# KiCad board 8851_HW-U1-VCU118_REV2-0_071417.kicad_pcb (continued)
## Nets (continued)
DDR4_C1_DQS5_T: U1.N22 U62.B7
DDR4_C1_DQS6_C: U1.L20 U63.F3
DDR4_C1_DQS6_T: U1.M20 U63.G3
DDR4_C1_DQS7_C: U1.G23 U63.A7
DDR4_C1_DQS7_T: U1.H24 U63.B7
DDR4_C1_DQS8_C: U1.C22 U64.F3
DDR4_C1_DQS8_T: U1.D22 U64.G3
DDR4_C1_DQS9_C: U1.A8 U64.A7
DDR4_C1_DQS9_T: U1.A9 U64.B7
DDR4_C1_ODT: R569.2 U1.C8 U60.K3 U61.K3 U62.K3 U63.K3 U64.K3
DDR4_C1_PAR: R568.2 U1.G10 U60.T3 U61.T3 U62.T3 U63.T3 U64.T3
DDR4_C1_REFIN: C451.1 R299.2 R300.1 U24.1
DDR4_C1_RESET_B: R76.1 U1.N20 U60.P1 U61.P1 U62.P1 U63.P1 U64.P1
DDR4_C1_TEN: R259.1 U1.A20 U60.N9 U61.N9 U62.N9 U63.N9 U64.N9
DDR4_C1_VREFA: C559.1 R558.2 R559.1 U60.M1
DDR4_C1_VREFB: C696.1 R706.2 R707.1 U61.M1
DDR4_C1_VREFC: C699.1 R708.2 R709.1 U62.M1
DDR4_C1_VREFD: C954.1 R894.2 R895.1 U63.M1
DDR4_C1_VREFE: C557.1 R556.2 R557.1 U64.M1
DDR4_C1_VTERM_0V60_PGOOD: Q17.1 R389.2 U24.9
DDR4_C1_VTERM_EN: R388.2 U24.7
DDR4_C1_VTERM_REFOUT: C138.1 U24.6
DDR4_C1_VTT: C104.1 C105.1 C106.1 C107.1 C108.1 C350.1 C351.1 C352.1 C516.1 C517.1 C518.1 J65.1 R237.1 R238.1 R239.1 R240.1 R241.1 R242.1 R243.1 R244.1 R245.1 R246.1 R247.1 R249.1 R250.1 R251.1 R252.1 R253.1 R254.1 R255.1 R256.1 R257.1 R258.1 R564.1 R567.1 R568.1 R569.1 R1105.1 U24.3 Z43.1
DDR4_C1_ZQA: R386.1 U60.F9
DDR4_C1_ZQB: R704.1 U61.F9
DDR4_C1_ZQC: R705.1 U62.F9
DDR4_C1_ZQD: R893.1 U63.F9
DDR4_C1_ZQE: R385.1 U64.F9
DDR4_C2_A0: R903.2 U1.AM27 U135.P3 U136.P3 U137.P3 U138.P3 U139.P3
DDR4_C2_A1: R904.2 U1.AL27 U135.P7 U136.P7 U137.P7 U138.P7 U139.P7
DDR4_C2_A2: R919.2 U1.AP26 U135.R3 U136.R3 U137.R3 U138.R3 U139.R3
DDR4_C2_A3: R918.2 U1.AP25 U135.N7 U136.N7 U137.N7 U138.N7 U139.N7
DDR4_C2_A4: R916.2 U1.AN28 U135.N3 U136.N3 U137.N3 U138.N3 U139.N3
DDR4_C2_A5: R917.2 U1.AM28 U135.P8 U136.P8 U137.P8 U138.P8 U139.P8
DDR4_C2_A6: R906.2 U1.AP28 U135.P2 U136.P2 U137.P2 U138.P2 U139.P2
DDR4_C2_A7: R905.2 U1.AP27 U135.R8 U136.R8 U137.R8 U138.R8 U139.R8
DDR4_C2_A8: R910.2 U1.AN26 U135.R2 U136.R2 U137.R2 U138.R2 U139.R2
DDR4_C2_A9: R909.2 U1.AM26 U135.R7 U136.R7 U137.R7 U138.R7 U139.R7
DDR4_C2_A10: R908.2 U1.AR28 U135.M3 U136.M3 U137.M3 U138.M3 U139.M3
DDR4_C2_A11: R907.2 U1.AR27 U135.T2 U136.T2 U137.T2 U138.T2 U139.T2
DDR4_C2_A12: R912.2 U1.AV25 U135.M7 U136.M7 U137.M7 U138.M7 U139.M7
DDR4_C2_A13: R920.2 U1.AT25 U135.T8 U136.T8 U137.T8 U138.T8 U139.T8
DDR4_C2_A14_WE_B: R913.2 U1.AV28 U135.L2 U136.L2 U137.L2 U138.L2 U139.L2
DDR4_C2_A15_CAS_B: R914.2 U1.AU26 U135.M8 U136.M8 U137.M8 U138.M8 U139.M8
DDR4_C2_A16_RAS_B: R923.2 U1.AV26 U135.L8 U136.L8 U137.L8 U138.L8 U139.L8
DDR4_C2_ACT_B: R924.2 U1.AN25 U135.L3 U136.L3 U137.L3 U138.L3 U139.L3
DDR4_C2_ALERT_B: R922.2 U1.AR29 U135.P9 U136.P9 U137.P9 U138.P9 U139.P9
DDR4_C2_BA0: R902.2 U1.AR25 U135.N2 U136.N2 U137.N2 U138.N2 U139.N2
DDR4_C2_BA1: R921.2 U1.AU28 U135.N8 U136.N8 U137.N8 U138.N8 U139.N8
DDR4_C2_BG0: R911.2 U1.AU27 U135.M2 U136.M2 U137.M2 U138.M2 U139.M2
DDR4_C2_CK_C: R898.1 U1.AT27 U135.K8 U136.K8 U137.K8 U138.K8 U139.K8
DDR4_C2_CK_T: R897.1 U1.AT26 U135.K7 U136.K7 U137.K7 U138.K7 U139.K7
DDR4_C2_CKE: R915.2 U1.AW28 U135.K2 U136.K2 U137.K2 U138.K2 U139.K2
DDR4_C2_CS_B: R1106.2 U1.AY29 U135.L7 U136.L7 U137.L7 U138.L7 U139.L7
DDR4_C2_DM0: U1.BE32 U135.E7
DDR4_C2_DM1: U1.BB31 U135.E2
DDR4_C2_DM2: U1.AV33 U136.E7
DDR4_C2_DM3: U1.AR32 U136.E2
DDR4_C2_DM4: U1.BC34 U137.E7
DDR4_C2_DM5: U1.BE40 U137.E2
DDR4_C2_DM6: U1.AY37 U138.E7
DDR4_C2_DM7: U1.AV35 U138.E2
DDR4_C2_DM8: U1.BE29 U139.E7
DDR4_C2_DM9: U1.BA29 U139.E2
DDR4_C2_DQ0: U1.BD30 U135.G2
DDR4_C2_DQ1: U1.BE30 U135.F7
DDR4_C2_DQ2: U1.BD32 U135.H3
DDR4_C2_DQ3: U1.BE33 U135.H7
DDR4_C2_DQ4: U1.BC33 U135.H2
DDR4_C2_DQ5: U1.BD33 U135.H8
DDR4_C2_DQ6: U1.BC31 U135.J3
DDR4_C2_DQ7: U1.BD31 U135.J7
DDR4_C2_DQ8: U1.BA32 U135.A3
DDR4_C2_DQ9: U1.BB33 U135.B8
DDR4_C2_DQ10: U1.BA30 U135.C3
DDR4_C2_DQ11: U1.BA31 U135.C7
DDR4_C2_DQ12: U1.AW31 U135.C2
DDR4_C2_DQ13: U1.AW32 U135.C8
DDR4_C2_DQ14: U1.AY32 U135.D3
DDR4_C2_DQ15: U1.AY33 U135.D7
DDR4_C2_DQ16: U1.AV30 U136.G2
DDR4_C2_DQ17: U1.AW30 U136.F7
DDR4_C2_DQ18: U1.AU33 U136.H3
DDR4_C2_DQ19: U1.AU34 U136.H7
DDR4_C2_DQ20: U1.AT31 U136.H2
DDR4_C2_DQ21: U1.AU32 U136.H8
DDR4_C2_DQ22: U1.AU31 U136.J3
DDR4_C2_DQ23: U1.AV31 U136.J7
DDR4_C2_DQ24: U1.AR33 U136.A3
DDR4_C2_DQ25: U1.AT34 U136.B8
DDR4_C2_DQ26: U1.AT29 U136.C3
DDR4_C2_DQ27: U1.AT30 U136.C7
DDR4_C2_DQ28: U1.AP30 U136.C2
DDR4_C2_DQ29: U1.AR30 U136.C8
DDR4_C2_DQ30: U1.AN30 U136.D3
DDR4_C2_DQ31: U1.AN31 U136.D7
DDR4_C2_DQ32: U1.BE34 U137.G2
DDR4_C2_DQ33: U1.BF34 U137.F7
DDR4_C2_DQ34: U1.BC35 U137.H3
DDR4_C2_DQ35: U1.BC36 U137.H7
DDR4_C2_DQ36: U1.BD36 U137.H2
DDR4_C2_DQ37: U1.BE37 U137.H8
DDR4_C2_DQ38: U1.BF36 U137.J3
DDR4_C2_DQ39: U1.BF37 U137.J7
DDR4_C2_DQ40: U1.BD37 U137.A3
DDR4_C2_DQ41: U1.BE38 U137.B8
DDR4_C2_DQ42: U1.BC39 U137.C3
DDR4_C2_DQ43: U1.BD40 U137.C7
DDR4_C2_DQ44: U1.BB38 U137.C2
DDR4_C2_DQ45: U1.BB39 U137.C8
DDR4_C2_DQ46: U1.BC38 U137.D3
DDR4_C2_DQ47: U1.BD38 U137.D7
DDR4_C2_DQ48: U1.BB36 U138.G2
DDR4_C2_DQ49: U1.BB37 U138.F7
DDR4_C2_DQ50: U1.BA39 U138.H3
DDR4_C2_DQ51: U1.BA40 U138.H7
DDR4_C2_DQ52: U1.AW40 U138.H2
DDR4_C2_DQ53: U1.AY40 U138.H8
DDR4_C2_DQ54: U1.AY38 U138.J3
DDR4_C2_DQ55: U1.AY39 U138.J7
DDR4_C2_DQ56: U1.AW35 U138.A3
DDR4_C2_DQ57: U1.AW36 U138.B8
DDR4_C2_DQ58: U1.AU40 U138.C3
DDR4_C2_DQ59: U1.AV40 U138.C7
DDR4_C2_DQ60: U1.AU38 U138.C2
DDR4_C2_DQ61: U1.AU39 U138.C8
DDR4_C2_DQ62: U1.AV38 U138.D3
DDR4_C2_DQ63: U1.AV39 U138.D7
DDR4_C2_DQ64: U1.BF26 U139.G2
DDR4_C2_DQ65: U1.BF27 U139.F7
DDR4_C2_DQ66: U1.BD28 U139.H3
DDR4_C2_DQ67: U1.BE28 U139.H7
DDR4_C2_DQ68: U1.BD27 U139.H2
DDR4_C2_DQ69: U1.BE27 U139.H8
DDR4_C2_DQ70: U1.BD25 U139.J3
DDR4_C2_DQ71: U1.BD26 U139.J7
DDR4_C2_DQ72: U1.BC25 U139.A3
DDR4_C2_DQ73: U1.BC26 U139.B8
DDR4_C2_DQ74: U1.BB28 U139.C3
DDR4_C2_DQ75: U1.BC28 U139.C7
DDR4_C2_DQ76: U1.AY27 U139.C2
DDR4_C2_DQ77: U1.AY28 U139.C8
DDR4_C2_DQ78: U1.BA27 U139.D3
DDR4_C2_DQ79: U1.BB27 U139.D7
DDR4_C2_DQS0_C: U1.BF31 U135.F3
DDR4_C2_DQS0_T: U1.BF30 U135.G3
DDR4_C2_DQS1_C: U1.BA34 U135.A7
DDR4_C2_DQS1_T: U1.AY34 U135.B7
DDR4_C2_DQS2_C: U1.AV29 U136.F3
DDR4_C2_DQS2_T: U1.AU29 U136.G3
DDR4_C2_DQS3_C: U1.AP32 U136.A7
DDR4_C2_DQS3_T: U1.AP31 U136.B7
DDR4_C2_DQS4_C: U1.BF35 U137.F3
DDR4_C2_DQS4_T: U1.BE35 U137.G3
DDR4_C2_DQS5_C: U1.BF39 U137.A7
DDR4_C2_DQS5_T: U1.BE39 U137.B7
DDR4_C2_DQS6_C: U1.BA36 U138.F3
DDR4_C2_DQS6_T: U1.BA35 U138.G3
DDR4_C2_DQS7_C: U1.AW38 U138.A7
DDR4_C2_DQS7_T: U1.AW37 U138.B7
DDR4_C2_DQS8_C: U1.BF25 U139.F3
DDR4_C2_DQS8_T: U1.BE25 U139.G3
DDR4_C2_DQS9_C: U1.BB26 U139.A7
DDR4_C2_DQS9_T: U1.BA26 U139.B7
DDR4_C2_ODT: R926.2 U1.BB29 U135.K3 U136.K3 U137.K3 U138.K3 U139.K3
DDR4_C2_PAR: R925.2 U1.BF29 U135.T3 U136.T3 U137.T3 U138.T3 U139.T3
DDR4_C2_REFIN: C1208.1 R900.2 R901.1 U134.1
DDR4_C2_RESET_B: R896.1 U1.BD35 U135.P1 U136.P1 U137.P1 U138.P1 U139.P1
DDR4_C2_TEN: R899.1 U1.AY35 U135.N9 U136.N9 U137.N9 U138.N9 U139.N9
DDR4_C2_VREFA: C1144.1 R935.2 R936.1 U135.M1
DDR4_C2_VREFB: C1147.1 R937.2 R938.1 U136.M1
DDR4_C2_VREFC: C1150.1 R939.2 R940.1 U137.M1
DDR4_C2_VREFD: C1153.1 R941.2 R942.1 U138.M1
DDR4_C2_VREFE: C1162.1 R943.2 R944.1 U139.M1
DDR4_C2_VTERM_0V60_PGOOD: Q37.1 R929.2 U134.9
DDR4_C2_VTERM_EN: R928.2 U134.7
DDR4_C2_VTERM_REFOUT: C1142.1 U134.6
DDR4_C2_VTT: C1155.1 C1156.1 C1157.1 C1158.1 C1159.1 C1179.1 C1180.1 C1181.1 C1183.1 C1184.1 C1185.1 J88.1 R902.1 R903.1 R904.1 R905.1 R906.1 R907.1 R908.1 R909.1 R910.1 R911.1 R912.1 R913.1 R914.1 R915.1 R916.1 R917.1 R918.1 R919.1 R920.1 R921.1 R922.1 R923.1 R924.1 R925.1 R926.1 R1106.1 U134.3 Z86.1
DDR4_C2_ZQA: R930.1 U135.F9
DDR4_C2_ZQB: R931.1 U136.F9
DDR4_C2_ZQC: R932.1 U137.F9
DDR4_C2_ZQD: R933.1 U138.F9
DDR4_C2_ZQE: R7.1 U139.F9
DXN: C240.2 U1.AE17 Z8.1
DXP: C240.1 U1.AE18 U31.8
ENET_LED_0: Q18.1 R54.2 R62.1 R198.2 R200.1 U7.47
ENET_LED_0_LS: DS1.1 Q18.3
ENET_LED_1: Q60.1 R55.2 R63.1 R201.2 R202.1 U7.46
ENET_LED_1_LS: J10.13 Q60.3
ENET_LED_2: Q59.1 R56.2 R64.1 R203.2 R204.1 U7.45
ENET_LED_2_LS: J10.15 Q59.3
ENET_TD_A_N: J10.10 U7.2
ENET_TD_A_P: J10.11 U7.1
ENET_TD_B_N: J10.5 U7.5
ENET_TD_B_P: J10.4 U7.4
ENET_TD_C_N: J10.2 U7.8
ENET_TD_C_P: J10.3 U7.7
ENET_TD_D_N: J10.9 U7.11
ENET_TD_D_P: J10.8 U7.10
ENET_XI: C144.1 R84.1 U7.15 X2.1
ENET_XO: C143.1 R84.2 U7.14 X2.3
FAN_FAIL_B: Q22.3 R192.2 U31.4
FAN_FAIL_LS_B: Q22.2 R210.2 U1.AW33
FAN_OT_B: Q28.3 R107.2 U31.9
FAN_OT_LS_B: Q28.2 R219.2 U1.BC40
FAN_PWR_B: J73.1 Q61.3
FIREFLY_INT_B: J6.5 U22.9
FIREFLY_INT_LS_B: U1.BF24 U22.4
FIREFLY_MODPRS_B: J6.3 U22.8
FIREFLY_MODPRS_LS_B: U1.BD22 U22.5
FIREFLY_MODSEL_B: J6.4 U33.8
FIREFLY_MODSEL_LS_B: U1.BC23 U33.5
FIREFLY_RESET_B: J6.6 U33.9
FIREFLY_RESET_LS_B: U1.BE24 U33.4
FIREFLY_RX1_N: J6.B18 U1.K1
FIREFLY_RX1_P: J6.B17 U1.K2
FIREFLY_RX2_N: J6.A18 U1.H1
FIREFLY_RX2_P: J6.A17 U1.H2
FIREFLY_RX3_N: J6.B15 U1.F1
FIREFLY_RX3_P: J6.B14 U1.F2
FIREFLY_RX4_N: J6.A15 U1.D1
FIREFLY_RX4_P: J6.A14 U1.D2
FIREFLY_SCL: J6.8 R94.2 U28.20
FIREFLY_SDA: J6.7 R93.2 U28.19
FIREFLY_TX1_N: J6.A2 U1.G4
FIREFLY_TX1_P: J6.A3 U1.G5
FIREFLY_TX2_N: J6.B2 U1.F6
FIREFLY_TX2_P: J6.B3 U1.F7
FIREFLY_TX3_N: J6.A5 U1.E4
FIREFLY_TX3_P: J6.A6 U1.E5
FIREFLY_TX4_N: J6.B5 U1.C4
FIREFLY_TX4_P: J6.B6 U1.C5
FMC_HPC1_CLK0_M2C_N: J2.H5 U1.BC8
FMC_HPC1_CLK0_M2C_P: J2.H4 U1.BC9
FMC_HPC1_CLK1_M2C_N: J2.G3 U1.AV13
FMC_HPC1_CLK1_M2C_P: J2.G2 U1.AV14
FMC_HPC1_IIC_SCL: J2.C30 R626.2 U80.9
FMC_HPC1_IIC_SDA: J2.C31 R625.2 U80.8
FMC_HPC1_LA00_CC_N: J2.G7 U1.BA9
FMC_HPC1_LA00_CC_P: J2.G6 U1.AY9
FMC_HPC1_LA01_CC_N: J2.D9 U1.BF9
FMC_HPC1_LA01_CC_P: J2.D8 U1.BF10
FMC_HPC1_LA02_N: J2.H8 U1.BD11
FMC_HPC1_LA02_P: J2.H7 U1.BC11
FMC_HPC1_LA03_N: J2.G10 U1.BE12
FMC_HPC1_LA03_P: J2.G9 U1.BD12
FMC_HPC1_LA04_N: J2.H11 U1.BF11
FMC_HPC1_LA04_P: J2.H10 U1.BF12
FMC_HPC1_LA05_N: J2.D12 U1.BF14
FMC_HPC1_LA05_P: J2.D11 U1.BE14
FMC_HPC1_LA06_N: J2.C11 U1.BE13
FMC_HPC1_LA06_P: J2.C10 U1.BD13
FMC_HPC1_LA07_N: J2.H14 U1.BD15
FMC_HPC1_LA07_P: J2.H13 U1.BC15
FMC_HPC1_LA08_N: J2.G13 U1.BF15
FMC_HPC1_LA08_P: J2.G12 U1.BE15
FMC_HPC1_LA09_N: J2.D15 U1.BB14
FMC_HPC1_LA09_P: J2.D14 U1.BA14
FMC_HPC1_LA10_N: J2.C15 U1.BB12
FMC_HPC1_LA10_P: J2.C14 U1.BB13
FMC_HPC1_LA11_N: J2.H17 U1.BA15
FMC_HPC1_LA11_P: J2.H16 U1.BA16
FMC_HPC1_LA12_N: J2.G16 U1.BC13
FMC_HPC1_LA12_P: J2.G15 U1.BC14
FMC_HPC1_LA13_N: J2.D18 U1.AY7
FMC_HPC1_LA13_P: J2.D17 U1.AY8
FMC_HPC1_LA14_N: J2.C19 U1.AW7
FMC_HPC1_LA14_P: J2.C18 U1.AW8
FMC_HPC1_LA15_N: J2.H20 U1.BC16
FMC_HPC1_LA15_P: J2.H19 U1.BB16
FMC_HPC1_LA16_N: J2.G19 U1.AV8
FMC_HPC1_LA16_P: J2.G18 U1.AV9
FMC_HPC1_LA17_CC_N: J2.D21 U1.AT14
FMC_HPC1_LA17_CC_P: J2.D20 U1.AR14
FMC_HPC1_LA18_CC_N: J2.C23 U1.AR12
FMC_HPC1_LA18_CC_P: J2.C22 U1.AP12
FMC_HPC1_LA19_N: J2.H23 U1.AY12
FMC_HPC1_LA19_P: J2.H22 U1.AW12
FMC_HPC1_LA20_N: J2.G22 U1.AY10
FMC_HPC1_LA20_P: J2.G21 U1.AW11
FMC_HPC1_LA21_N: J2.H26 U1.AV11
FMC_HPC1_LA21_P: J2.H25 U1.AU11
FMC_HPC1_LA22_N: J2.G25 U1.AY13
FMC_HPC1_LA22_P: J2.G24 U1.AW13
FMC_HPC1_LA23_N: J2.D24 U1.AP16
FMC_HPC1_LA23_P: J2.D23 U1.AN16
FMC_HPC1_LA24_N: J2.H29 U1.AR13
FMC_HPC1_LA24_P: J2.H28 U1.AP13
FMC_HPC1_LA25_N: J2.G28 U1.AU12
FMC_HPC1_LA25_P: J2.G27 U1.AT12
FMC_HPC1_LA26_N: J2.D27 U1.AL15
FMC_HPC1_LA26_P: J2.D26 U1.AK15
FMC_HPC1_LA27_N: J2.C27 U1.AM14
FMC_HPC1_LA27_P: J2.C26 U1.AL14
FMC_HPC1_LA28_N: J2.H32 U1.AW10
FMC_HPC1_LA28_P: J2.H31 U1.AV10
FMC_HPC1_LA29_N: J2.G31 U1.AP15
FMC_HPC1_LA29_P: J2.G30 U1.AN15
FMC_HPC1_LA30_N: J2.H35 U1.AL12
FMC_HPC1_LA30_P: J2.H34 U1.AK12
FMC_HPC1_LA31_N: J2.G34 U1.AM12
FMC_HPC1_LA31_P: J2.G33 U1.AM13
FMC_HPC1_LA32_N: J2.H38 U1.AJ12
FMC_HPC1_LA32_P: J2.H37 U1.AJ13
FMC_HPC1_LA33_N: J2.G37 U1.AK13
FMC_HPC1_LA33_P: J2.G36 U1.AK14
FMC_HPC1_PG_M2C: J2.F1 R890.2 U44.12
FMC_HPC1_PG_M2C_LS: U1.BA7 U44.9
FMC_HPC1_PRSNT_M2C_B: J2.H2 R888.2 U44.15 U109.16 U132.4
FMC_HPC1_PRSNT_M2C_B_LS: U1.BB7 U44.6
FMC_HPC1_PRSNT_M2C_B_SYSCTLR: U109.5 U111.R12
FMC_HPC1_TCK_BUF: J2.D29 U19.16
FMC_HPC1_TDO: J2.D31 U13.8 U132.2
FMC_HPC1_TDO_LS: J3.8 U13.5 U111.P9 U115.8
FMC_HPC1_TMS_BUF: J2.D33 U19.19
FMC_HPC1_VREF_A_M2C: C1331.1 C1332.1 J2.H1 R1023.1 R1024.1
FMC_VADJ_ON: J14.2 R331.1 U25.2 U44.13
FMC_VADJ_ON_LS: U1.AL29 U44.8
FMCP_HSPC_CLK0_M2C_N: J22.H5 U1.AM32
FMCP_HSPC_CLK0_M2C_P: J22.H4 U1.AL32
FMCP_HSPC_CLK1_M2C_N: J22.G3 U1.P36
FMCP_HSPC_CLK1_M2C_P: J22.G2 U1.P35
FMCP_HSPC_DP0_C2M_N: J22.C3 U1.AT43
FMCP_HSPC_DP0_C2M_P: J22.C2 U1.AT42
FMCP_HSPC_DP0_M2C_N: J22.C7 U1.AR46
FMCP_HSPC_DP0_M2C_P: J22.C6 U1.AR45
FMCP_HSPC_DP1_C2M_N: J22.A23 U1.AP43
FMCP_HSPC_DP1_C2M_P: J22.A22 U1.AP42
FMCP_HSPC_DP1_M2C_N: J22.A3 U1.AN46
FMCP_HSPC_DP1_M2C_P: J22.A2 U1.AN45
FMCP_HSPC_DP2_C2M_N: J22.A27 U1.AM43
FMCP_HSPC_DP2_C2M_P: J22.A26 U1.AM42
FMCP_HSPC_DP2_M2C_N: J22.A7 U1.AL46
FMCP_HSPC_DP2_M2C_P: J22.A6 U1.AL45
FMCP_HSPC_DP3_C2M_N: J22.A31 U1.AL41
FMCP_HSPC_DP3_C2M_P: J22.A30 U1.AL40
FMCP_HSPC_DP3_M2C_N: J22.A11 U1.AJ46
FMCP_HSPC_DP3_M2C_P: J22.A10 U1.AJ45
FMCP_HSPC_DP4_C2M_N: J22.A35 U1.T43
FMCP_HSPC_DP4_C2M_P: J22.A34 U1.T42
FMCP_HSPC_DP4_M2C_N: J22.A15 U1.W46
FMCP_HSPC_DP4_M2C_P: J22.A14 U1.W45
FMCP_HSPC_DP5_C2M_N: J22.A39 U1.P43
FMCP_HSPC_DP5_C2M_P: J22.A38 U1.P42
FMCP_HSPC_DP5_M2C_N: J22.A19 U1.U46
FMCP_HSPC_DP5_M2C_P: J22.A18 U1.U45
FMCP_HSPC_DP6_C2M_N: J22.B37 U1.M43
FMCP_HSPC_DP6_C2M_P: J22.B36 U1.M42
FMCP_HSPC_DP6_M2C_N: J22.B17 U1.R46
FMCP_HSPC_DP6_M2C_P: J22.B16 U1.R45
FMCP_HSPC_DP7_C2M_N: J22.B33 U1.K43
FMCP_HSPC_DP7_C2M_P: J22.B32 U1.K42
FMCP_HSPC_DP7_M2C_N: J22.B13 U1.N46
FMCP_HSPC_DP7_M2C_P: J22.B12 U1.N45
FMCP_HSPC_DP8_C2M_N: J22.B29 U1.AK43
FMCP_HSPC_DP8_C2M_P: J22.B28 U1.AK42
FMCP_HSPC_DP8_M2C_N: J22.B9 U1.AG46
FMCP_HSPC_DP8_M2C_P: J22.B8 U1.AG45
FMCP_HSPC_DP9_C2M_N: J22.B25 U1.AJ41
FMCP_HSPC_DP9_C2M_P: J22.B24 U1.AJ40
FMCP_HSPC_DP9_M2C_N: J22.B5 U1.AF44
FMCP_HSPC_DP9_M2C_P: J22.B4 U1.AF43
FMCP_HSPC_DP10_C2M_N: J22.Z25 U1.AG41
FMCP_HSPC_DP10_C2M_P: J22.Z24 U1.AG40
FMCP_HSPC_DP10_M2C_N: J22.Y11 U1.AE46
FMCP_HSPC_DP10_M2C_P: J22.Y10 U1.AE45
FMCP_HSPC_DP11_C2M_N: J22.Y27 U1.AE41
FMCP_HSPC_DP11_C2M_P: J22.Y26 U1.AE40
FMCP_HSPC_DP11_M2C_N: J22.Z13 U1.AD44
FMCP_HSPC_DP11_M2C_P: J22.Z12 U1.AD43
FMCP_HSPC_DP12_C2M_N: J22.Z29 U1.AC41
FMCP_HSPC_DP12_C2M_P: J22.Z28 U1.AC40
FMCP_HSPC_DP12_M2C_N: J22.Y15 U1.AC46
FMCP_HSPC_DP12_M2C_P: J22.Y14 U1.AC45
FMCP_HSPC_DP13_C2M_N: J22.Y31 U1.AA41
FMCP_HSPC_DP13_C2M_P: J22.Y30 U1.AA40
FMCP_HSPC_DP13_M2C_N: J22.Z17 U1.AB44
FMCP_HSPC_DP13_M2C_P: J22.Z16 U1.AB43
FMCP_HSPC_DP14_C2M_N: J22.M19 U1.W41
FMCP_HSPC_DP14_C2M_P: J22.M18 U1.W40
FMCP_HSPC_DP14_M2C_N: J22.Y19 U1.AA46
FMCP_HSPC_DP14_M2C_P: J22.Y18 U1.AA45
FMCP_HSPC_DP15_C2M_N: J22.M23 U1.U41
FMCP_HSPC_DP15_C2M_P: J22.M22 U1.U40
FMCP_HSPC_DP15_M2C_N: J22.Y23 U1.Y44
FMCP_HSPC_DP15_M2C_P: J22.Y22 U1.Y43
FMCP_HSPC_DP16_C2M_N: J22.M27 U1.H43
FMCP_HSPC_DP16_C2M_P: J22.M26 U1.H42
FMCP_HSPC_DP16_M2C_N: J22.Z33 U1.L46
FMCP_HSPC_DP16_M2C_P: J22.Z32 U1.L45
FMCP_HSPC_DP17_C2M_N: J22.M31 U1.F43
FMCP_HSPC_DP17_C2M_P: J22.M30 U1.F42
FMCP_HSPC_DP17_M2C_N: J22.Y35 U1.J46
FMCP_HSPC_DP17_M2C_P: J22.Y34 U1.J45
FMCP_HSPC_DP18_C2M_N: J22.M35 U1.D43
FMCP_HSPC_DP18_C2M_P: J22.M34 U1.D42
FMCP_HSPC_DP18_M2C_N: J22.Z37 U1.G46
FMCP_HSPC_DP18_M2C_P: J22.Z36 U1.G45
FMCP_HSPC_DP19_C2M_N: J22.M39 U1.B43
FMCP_HSPC_DP19_C2M_P: J22.M38 U1.B42
FMCP_HSPC_DP19_M2C_N: J22.Y39 U1.E46
FMCP_HSPC_DP19_M2C_P: J22.Y38 U1.E45
FMCP_HSPC_DP20_C2M_N: J22.Z9 U1.BD43
FMCP_HSPC_DP20_C2M_P: J22.Z8 U1.BD42
FMCP_HSPC_DP20_M2C_N: J22.M15 U1.BC46
FMCP_HSPC_DP20_M2C_P: J22.M14 U1.BC45
FMCP_HSPC_DP21_C2M_N: J22.Y7 U1.BB43
FMCP_HSPC_DP21_C2M_P: J22.Y6 U1.BB42
FMCP_HSPC_DP21_M2C_N: J22.M11 U1.BA46
FMCP_HSPC_DP21_M2C_P: J22.M10 U1.BA45
FMCP_HSPC_DP22_C2M_N: J22.Z5 U1.AY43
FMCP_HSPC_DP22_C2M_P: J22.Z4 U1.AY42
FMCP_HSPC_DP22_M2C_N: J22.M7 U1.AW46
FMCP_HSPC_DP22_M2C_P: J22.M6 U1.AW45
FMCP_HSPC_DP23_C2M_N: J22.Y3 U1.AV43
FMCP_HSPC_DP23_C2M_P: J22.Y2 U1.AV42
FMCP_HSPC_DP23_M2C_N: J22.M3 U1.AU46
FMCP_HSPC_DP23_M2C_P: J22.M2 U1.AU45
FMCP_HSPC_GBT0_0_C_N: C207.1 U40.2
FMCP_HSPC_GBT0_0_C_P: C16.1 U40.1
FMCP_HSPC_GBT0_0_N: C207.2 U1.AK39
FMCP_HSPC_GBT0_0_P: C16.2 U1.AK38
FMCP_HSPC_GBT0_1_C_N: C209.1 U40.4
FMCP_HSPC_GBT0_1_C_P: C208.1 U40.3
FMCP_HSPC_GBT0_1_N: C209.2 U1.V39
FMCP_HSPC_GBT0_1_P: C208.2 U1.V38
FMCP_HSPC_GBT1_0_C_N: C221.2 U39.6
FMCP_HSPC_GBT1_0_C_P: C220.2 U39.5
FMCP_HSPC_GBT1_0_N: C221.1 U1.AH39
FMCP_HSPC_GBT1_0_P: C220.1 U1.AH38
FMCP_HSPC_GBT1_1_C_N: C223.2 U39.9
FMCP_HSPC_GBT1_1_C_P: C222.2 U39.8
FMCP_HSPC_GBT1_1_N: C223.1 U1.T39
FMCP_HSPC_GBT1_1_P: C222.1 U1.T38
FMCP_HSPC_GBT1_2_C_N: C225.2 U39.12
FMCP_HSPC_GBT1_2_C_P: C224.2 U39.11
FMCP_HSPC_GBT1_2_N: C225.1 U1.AD39
FMCP_HSPC_GBT1_2_P: C224.1 U1.AD38
FMCP_HSPC_GBT1_3_C_N: C219.1 U39.14
FMCP_HSPC_GBT1_3_C_P: C218.1 U39.13
FMCP_HSPC_GBT1_3_N: C219.2 U1.Y39
FMCP_HSPC_GBT1_3_P: C218.2 U1.Y38
FMCP_HSPC_GBT1_4_C_N: C217.1 U39.17
FMCP_HSPC_GBT1_4_C_P: C214.1 U39.16
FMCP_HSPC_GBT1_4_N: C217.2 U1.N41
FMCP_HSPC_GBT1_4_P: C214.2 U1.N40
FMCP_HSPC_GBT1_5_C_N: C213.1 U39.20
FMCP_HSPC_GBT1_5_C_P: C212.1 U39.19
FMCP_HSPC_GBT1_5_N: C213.2 U1.AM39
FMCP_HSPC_GBT1_5_P: C212.2 U1.AM38
FMCP_HSPC_GBTCLK0_M2C_C_N: C14.2 R195.1 U40.6
FMCP_HSPC_GBTCLK0_M2C_C_P: C13.2 R195.2 U40.7
FMCP_HSPC_GBTCLK0_M2C_N: C14.1 J22.D5
FMCP_HSPC_GBTCLK0_M2C_P: C13.1 J22.D4
FMCP_HSPC_GBTCLK1_M2C_C_N: C211.2 R197.1 U39.1
FMCP_HSPC_GBTCLK1_M2C_C_P: C210.2 R197.2 U39.2
FMCP_HSPC_GBTCLK1_M2C_N: C211.1 J22.B21
FMCP_HSPC_GBTCLK1_M2C_P: C210.1 J22.B20
FMCP_HSPC_GBTCLK2_M2C_C_N: C101.1 U1.AF39
FMCP_HSPC_GBTCLK2_M2C_C_P: C100.1 U1.AF38
FMCP_HSPC_GBTCLK2_M2C_N: C101.2 J22.L13
FMCP_HSPC_GBTCLK2_M2C_P: C100.2 J22.L12
FMCP_HSPC_GBTCLK3_M2C_C_N: C199.1 U1.AB39
FMCP_HSPC_GBTCLK3_M2C_C_P: C198.1 U1.AB38
FMCP_HSPC_GBTCLK3_M2C_N: C199.2 J22.L9
FMCP_HSPC_GBTCLK3_M2C_P: C198.2 J22.L8
FMCP_HSPC_GBTCLK4_M2C_C_N: C201.1 U1.R41
FMCP_HSPC_GBTCLK4_M2C_C_P: C200.1 U1.R40
FMCP_HSPC_GBTCLK4_M2C_N: C201.2 J22.L5
FMCP_HSPC_GBTCLK4_M2C_P: C200.2 J22.L4
FMCP_HSPC_GBTCLK5_M2C_C_N: C203.1 U1.AN41
FMCP_HSPC_GBTCLK5_M2C_C_P: C202.1 U1.AN40
FMCP_HSPC_GBTCLK5_M2C_N: C203.2 J22.Z21
FMCP_HSPC_GBTCLK5_M2C_P: C202.2 J22.Z20
FMCP_HSPC_H_PRSNT_M2C_B: J22.H2 R19.2 U26.4 U44.16 U109.17
FMCP_HSPC_H_PRSNT_M2C_B_LS: U1.AM33 U44.5
FMCP_HSPC_HA00_CC_N: J22.F5 U1.N13
FMCP_HSPC_HA00_CC_P: J22.F4 U1.N14
FMCP_HSPC_HA01_CC_N: J22.E3 U1.U15
FMCP_HSPC_HA01_CC_P: J22.E2 U1.V15
FMCP_HSPC_HA02_N: J22.K8 U1.Y12
FMCP_HSPC_HA02_P: J22.K7 U1.AA12
FMCP_HSPC_HA03_N: J22.J7 U1.V12
FMCP_HSPC_HA03_P: J22.J6 U1.W12
FMCP_HSPC_HA04_N: J22.F8 U1.Y13
FMCP_HSPC_HA04_P: J22.F7 U1.AA13
FMCP_HSPC_HA05_N: J22.E7 U1.P14
FMCP_HSPC_HA05_P: J22.E6 U1.R14
FMCP_HSPC_HA06_N: J22.K11 U1.T13
FMCP_HSPC_HA06_P: J22.K10 U1.U13
FMCP_HSPC_HA07_N: J22.J10 U1.Y14
FMCP_HSPC_HA07_P: J22.J9 U1.AA14
FMCP_HSPC_HA08_N: J22.F11 U1.T11
FMCP_HSPC_HA08_P: J22.F10 U1.U11
FMCP_HSPC_HA09_N: J22.E10 U1.V14
FMCP_HSPC_HA09_P: J22.E9 U1.W14
FMCP_HSPC_HA10_N: J22.K14 U1.U16
FMCP_HSPC_HA10_P: J22.K13 U1.V16
FMCP_HSPC_HA11_N: J22.J13 U1.P12
FMCP_HSPC_HA11_P: J22.J12 U1.R12
FMCP_HSPC_HA12_N: J22.F14 U1.T15
FMCP_HSPC_HA12_P: J22.F13 U1.T16
FMCP_HSPC_HA13_N: J22.E13 U1.U12
FMCP_HSPC_HA13_P: J22.E12 U1.V13
FMCP_HSPC_HA14_N: J22.J16 U1.L11
FMCP_HSPC_HA14_P: J22.J15 U1.M11
FMCP_HSPC_HA15_N: J22.F17 U1.M12
FMCP_HSPC_HA15_P: J22.F16 U1.M13
FMCP_HSPC_HA16_N: J22.E16 U1.R13
FMCP_HSPC_HA16_P: J22.E15 U1.T14
FMCP_HSPC_HA17_CC_N: J22.K17 U1.P11
FMCP_HSPC_HA17_CC_P: J22.K16 U1.R11
FMCP_HSPC_HA18_N: J22.J19 U1.N15
FMCP_HSPC_HA18_P: J22.J18 U1.P15
FMCP_HSPC_HA19_N: J22.F20 U1.L13
FMCP_HSPC_HA19_P: J22.F19 U1.L14
FMCP_HSPC_HA20_N: J22.E19 U1.L15
FMCP_HSPC_HA20_P: J22.E18 U1.M15
FMCP_HSPC_HA21_N: J22.K20 U1.K13
FMCP_HSPC_HA21_P: J22.K19 U1.K14
FMCP_HSPC_HA22_N: J22.J22 U1.J12
FMCP_HSPC_HA22_P: J22.J21 U1.K12
FMCP_HSPC_HA23_N: J22.K23 U1.J11
FMCP_HSPC_HA23_P: J22.K22 U1.K11
FMCP_HSPC_IIC_SCL: J22.C30 R624.2 U80.7
FMCP_HSPC_IIC_SDA: J22.C31 R623.2 U80.6
FMCP_HSPC_LA00_CC_N: J22.G7 U1.AL36
FMCP_HSPC_LA00_CC_P: J22.G6 U1.AL35
FMCP_HSPC_LA01_CC_N: J22.D9 U1.AL31
FMCP_HSPC_LA01_CC_P: J22.D8 U1.AL30
FMCP_HSPC_LA02_N: J22.H8 U1.AK32
FMCP_HSPC_LA02_P: J22.H7 U1.AJ32
FMCP_HSPC_LA03_N: J22.G10 U1.AT40
FMCP_HSPC_LA03_P: J22.G9 U1.AT39
FMCP_HSPC_LA04_N: J22.H11 U1.AT37
FMCP_HSPC_LA04_P: J22.H10 U1.AR37
FMCP_HSPC_LA05_N: J22.D12 U1.AR38
FMCP_HSPC_LA05_P: J22.D11 U1.AP38
FMCP_HSPC_LA06_N: J22.C11 U1.AT36
FMCP_HSPC_LA06_P: J22.C10 U1.AT35
FMCP_HSPC_LA07_N: J22.H14 U1.AP37
FMCP_HSPC_LA07_P: J22.H13 U1.AP36
FMCP_HSPC_LA08_N: J22.G13 U1.AK30
FMCP_HSPC_LA08_P: J22.G12 U1.AK29
FMCP_HSPC_LA09_N: J22.D15 U1.AK33
FMCP_HSPC_LA09_P: J22.D14 U1.AJ33
FMCP_HSPC_LA10_N: J22.C15 U1.AR35
FMCP_HSPC_LA10_P: J22.C14 U1.AP35
FMCP_HSPC_LA11_N: J22.H17 U1.AJ31
FMCP_HSPC_LA11_P: J22.H16 U1.AJ30
FMCP_HSPC_LA12_N: J22.G16 U1.AH34
FMCP_HSPC_LA12_P: J22.G15 U1.AH33
FMCP_HSPC_LA13_N: J22.D18 U1.AJ36
FMCP_HSPC_LA13_P: J22.D17 U1.AJ35
FMCP_HSPC_LA14_N: J22.C19 U1.AH31
FMCP_HSPC_LA14_P: J22.C18 U1.AG31
FMCP_HSPC_LA15_N: J22.H20 U1.AG33
FMCP_HSPC_LA15_P: J22.H19 U1.AG32
FMCP_HSPC_LA16_N: J22.G19 U1.AH35
FMCP_HSPC_LA16_P: J22.G18 U1.AG34
FMCP_HSPC_LA17_CC_N: J22.D21 U1.P34
FMCP_HSPC_LA17_CC_P: J22.D20 U1.R34
FMCP_HSPC_LA18_CC_N: J22.C23 U1.P31
FMCP_HSPC_LA18_CC_P: J22.C22 U1.R31
FMCP_HSPC_LA19_N: J22.H23 U1.M33
FMCP_HSPC_LA19_P: J22.H22 U1.N33
FMCP_HSPC_LA20_N: J22.G22 U1.M32
FMCP_HSPC_LA20_P: J22.G21 U1.N32
FMCP_HSPC_LA21_N: J22.H26 U1.L35
FMCP_HSPC_LA21_P: J22.H25 U1.M35
FMCP_HSPC_LA22_N: J22.G25 U1.N35
FMCP_HSPC_LA22_P: J22.G24 U1.N34
FMCP_HSPC_LA23_N: J22.D24 U1.W32
FMCP_HSPC_LA23_P: J22.D23 U1.Y32
FMCP_HSPC_LA24_N: J22.H29 U1.T35
FMCP_HSPC_LA24_P: J22.H28 U1.T34
FMCP_HSPC_LA25_N: J22.G28 U1.W34
FMCP_HSPC_LA25_P: J22.G27 U1.Y34
FMCP_HSPC_LA26_N: J22.D27 U1.U33
FMCP_HSPC_LA26_P: J22.D26 U1.V32
FMCP_HSPC_LA27_N: J22.C27 U1.V34
FMCP_HSPC_LA27_P: J22.C26 U1.V33
FMCP_HSPC_LA28_N: J22.H32 U1.L36
FMCP_HSPC_LA28_P: J22.H31 U1.M36
FMCP_HSPC_LA29_N: J22.G31 U1.T36
FMCP_HSPC_LA29_P: J22.G30 U1.U35
FMCP_HSPC_LA30_N: J22.H35 U1.M38
FMCP_HSPC_LA30_P: J22.H34 U1.N38
FMCP_HSPC_LA31_N: J22.G34 U1.N37
FMCP_HSPC_LA31_P: J22.G33 U1.P37
FMCP_HSPC_LA32_N: J22.H38 U1.K33
FMCP_HSPC_LA32_P: J22.H37 U1.L33
FMCP_HSPC_LA33_N: J22.G37 U1.K34
FMCP_HSPC_LA33_P: J22.G36 U1.L34
FMCP_HSPC_PG_M2C: J22.F1 R308.2 U44.17
FMCP_HSPC_PG_M2C_LS: U1.AM34 U44.4
FMCP_HSPC_PRSNT_M2C_B_SYSCTLR: U109.4 U111.R13
FMCP_HSPC_REFCLK_C2M_N: J22.L21 U1.AP33
FMCP_HSPC_REFCLK_C2M_P: J22.L20 U1.AN33
FMCP_HSPC_REFCLK_M2C_N: J22.L25 U1.AL34
FMCP_HSPC_REFCLK_M2C_P: J22.L24 U1.AK34
FMCP_HSPC_SYNC_C2M_N: J22.L17 U1.AN35
FMCP_HSPC_SYNC_C2M_P: J22.L16 U1.AN34
FMCP_HSPC_SYNC_M2C_N: J22.L29 U1.AN36
FMCP_HSPC_SYNC_M2C_P: J22.L28 U1.AM36
FMCP_HSPC_TCK_BUF: J22.D29 U19.17
FMCP_HSPC_TDO_HPC1_TDI: J2.D30 J22.D31 U26.2 U132.1
FMCP_HSPC_TMS_BUF: J22.D33 U19.20
FMCP_HSPC_VREF_A_M2C: C4.1 C856.1 C858.1 J22.H1 R3.1 R796.1 R798.1
FMCP_HSPC_Z_PRSNT_M2C_B: J22.Z1 R934.2 U44.14
FMCP_HSPC_Z_PRSNT_M2C_B_LS: U1.AM29 U44.7
FPGA_DONE: Q2.1 R236.2 R554.2 U1.AE12
FPGA_EMCCLK: R563.2 U1.AL20
FPGA_EMCCLK_R: R563.1 U122.14
FPGA_INIT_B: R6.2 R553.2 R1328.1 U1.AC12 U53.4
FPGA_M0: R133.1 R1083.1 SW16.4 U1.U10
FPGA_M0_R: R133.2 U111.M11
FPGA_M1: R135.1 R1084.1 SW16.3 U1.Y11
FPGA_M1_R: R135.2 U111.M10
FPGA_M2: R83.1 R1085.1 SW16.2 U1.W11
FPGA_M2_R: R83.2 U111.R8
FPGA_PROG_B: R53.2 R140.1 SW4.1 SW4.2 U1.AH11 U111.N14
FPGA_SYSMON_VCC: C2.1 C1578.1 L13.1 U1.AB18
FPGA_TDO_FMC_TDI: U1.AD13 U19.3
FPGA_TDO_FMC_TDI_BUF: J22.D30 U19.21 U26.1
FPGA_VBATT: B1.1 R115.2 U1.AT11
GPIO_DIP_SW1: R51.1 SW12.1 U1.B17
GPIO_DIP_SW2: R50.1 SW12.2 U1.G16
GPIO_DIP_SW3: R41.1 SW12.3 U1.J16
GPIO_DIP_SW4: R40.1 SW12.4 U1.D21
GPIO_LED0: Q16.1 R124.1 U1.AT32
GPIO_LED1: Q15.1 R123.1 U1.AV34
GPIO_LED2: Q14.1 R122.1 U1.AY30
GPIO_LED3: Q13.1 R121.1 U1.BB32
GPIO_LED4: Q12.1 R120.1 U1.BF32
GPIO_LED5: Q11.1 R119.1 U1.AU37
GPIO_LED6: Q10.1 R118.1 U1.AV36
GPIO_LED7: Q8.1 R117.1 U1.BA37
GPIO_SW_C: R46.1 SW7.3 SW7.4 U1.BD23 U111.B12
GPIO_SW_E: R48.1 SW9.3 SW9.4 U1.BE23 U111.B14
GPIO_SW_N: R49.1 SW10.3 SW10.4 U1.BB24 U111.A13
GPIO_SW_S: R47.1 SW17.3 SW17.4 U1.BE22 U111.C14
GPIO_SW_W: R45.1 SW6.3 SW6.4 U1.BF22 U111.D14
IIC_EEPROM_SCL: R628.2 U12.6 U80.11
IIC_EEPROM_SDA: R627.2 U12.5 U80.10
IIC_MAIN_SCL: R683.2 U1.AM24 U28.22 U80.22 U111.A15
IIC_MAIN_SDA: R682.2 U1.AL24 U28.23 U80.23 U111.D11
IIC_MUX_RESET_B: R72.2 U1.AL25 U28.3 U80.3
INA_PMBUS_ALERT: U8.3 U23.3 U27.3 U29.3 U35.3 U36.3 U37.3
INA_PMBUS_SCL: R630.2 U8.5 U23.5 U27.5 U29.2 U29.5 U35.5 U36.5 U37.5 U80.14
INA_PMBUS_SDA: R629.2 U8.1 U8.4 U23.4 U27.2 U27.4 U29.4 U35.4 U36.4 U37.4 U80.13
INPUT_GND: C298.2 C358.2 C549.2 C871.2 J12.1 J15.2 J15.3 J15.6 Q4.2 R637.2 R640.2 SW1.3 SW1.SH1 SW1.SH2 U15.2 U16.3
JTAG_TCK: J3.6 R211.2 R573.1 R810.1 U1.AE13 U19.7 U19.8
JTAG_TDI: J3.10 R574.1 R811.1 U1.AD15
JTAG_TMS: J3.4 R212.2 R575.1 R812.1 U1.AF15 U19.4 U19.5
MASTER_SW_12V: Q4.1 R638.1 SW1.2
MAXIM_CABLE_B: J39.2 Q27.3 R327.2 U109.18
MAXIM_CABLE_B_SYSCTLR: U109.3 U111.R11
MAXIM_CABLE_LS_B: Q27.2 R105.2 U1.BF40
MGT223_REFCLK1_N: C244.2 U1.J8
MGT226_CLK0_N: C241.1 J30.1
MGT226_CLK0_P: C243.1 J31.1
MGT226_REFCLK0_N: C241.2 U1.AG8
MGT226_REFCLK0_P: C243.2 U1.AG9
MGT233_CLK1_N: C244.1 J32.1
MGT233_CLK1_P: C245.1 J33.1
MGT233_REFCLK1_P: C245.2 U1.J9
MGT_SI570_CLOCK1_C_N: C10.1 U1.AJ8
MGT_SI570_CLOCK1_C_P: C9.1 U1.AJ9
MGT_SI570_CLOCK1_N: C10.2 U104.12
MGT_SI570_CLOCK1_P: C9.2 U104.11
MGT_SI570_CLOCK2_C_N: C1398.1 U1.R8
MGT_SI570_CLOCK2_C_P: C1397.1 U1.R9
MGT_SI570_CLOCK2_N: C1398.2 U104.14
MGT_SI570_CLOCK2_P: C1397.2 U104.13
MGT_SI570_CLOCK3_C_N: C89.1 U1.L8
